# Altium PCB VNA_v5.PcbDoc (part 1 of 3)
Units mm, origin at the board's own origin, x right, y up, seen from the top; angles counter-clockwise.
Board outline 179 x 180 mm, 2 copper layers (Top Layer, Bottom Layer), stack 1.601 mm thick; 281 components, 184 nets, 845 pads, 2024 vias.
Unrouted connection lines stored in the file: 5.
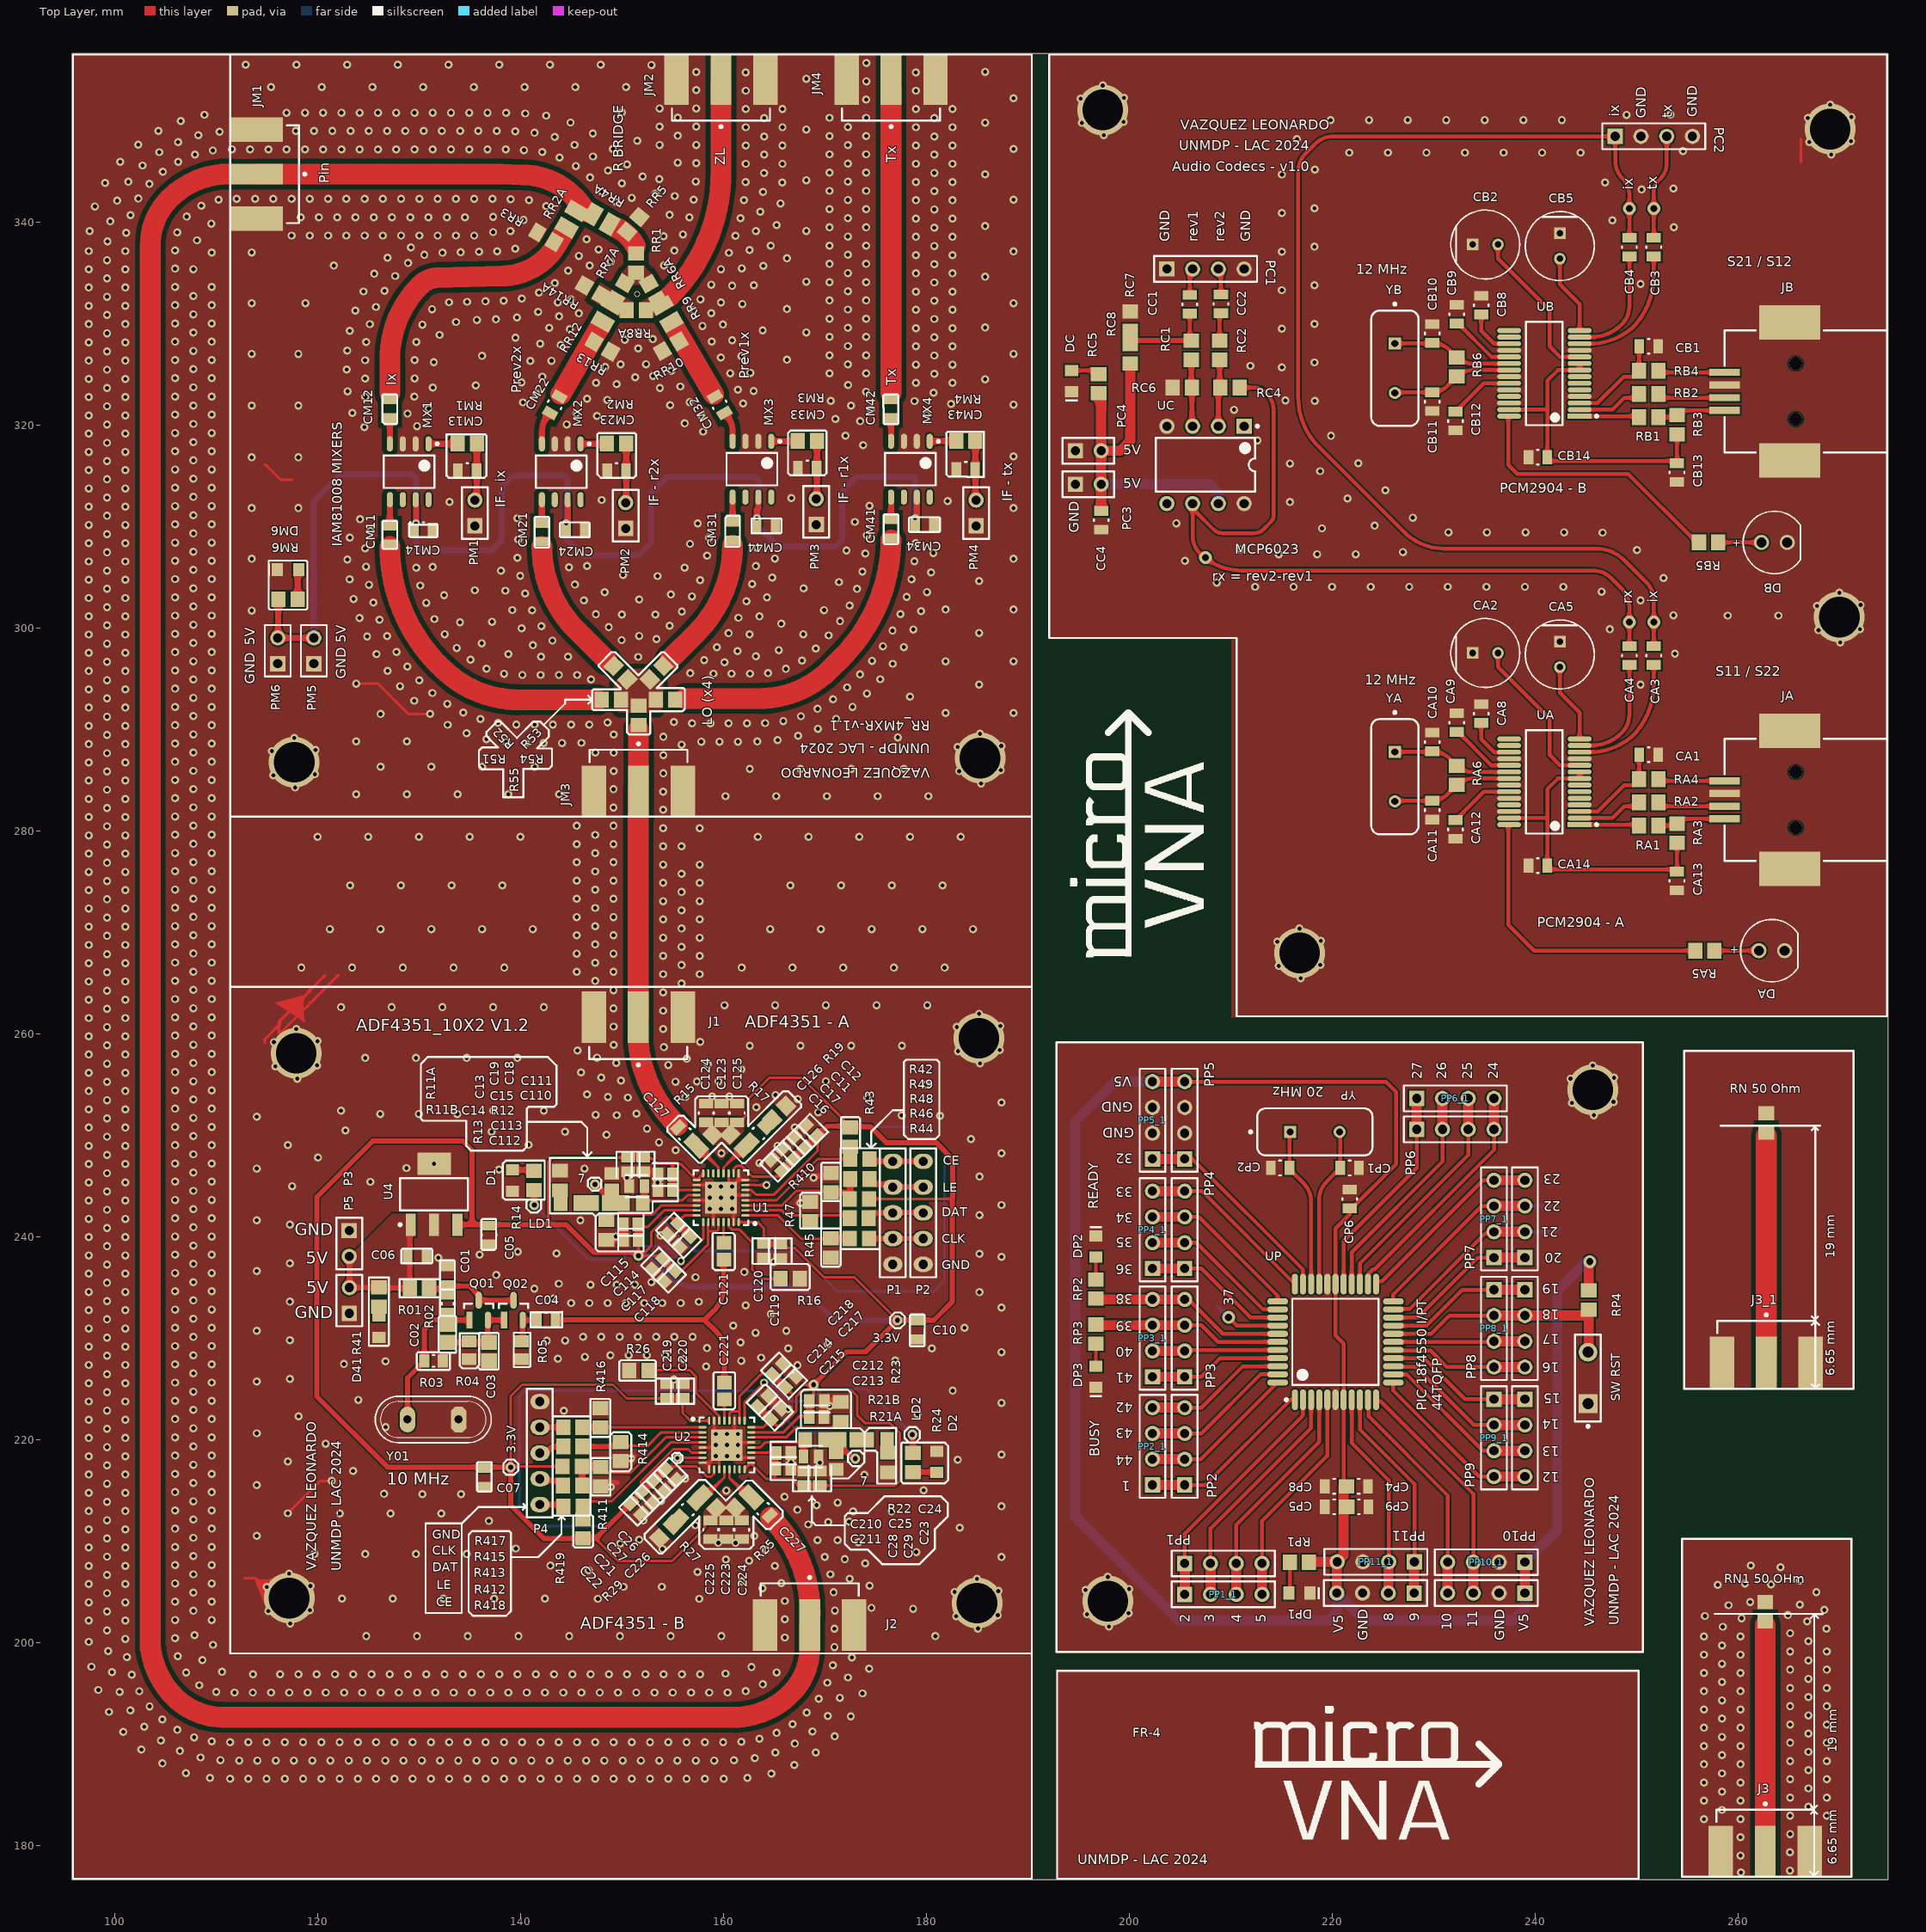
[diagram p0: Top Layer view]
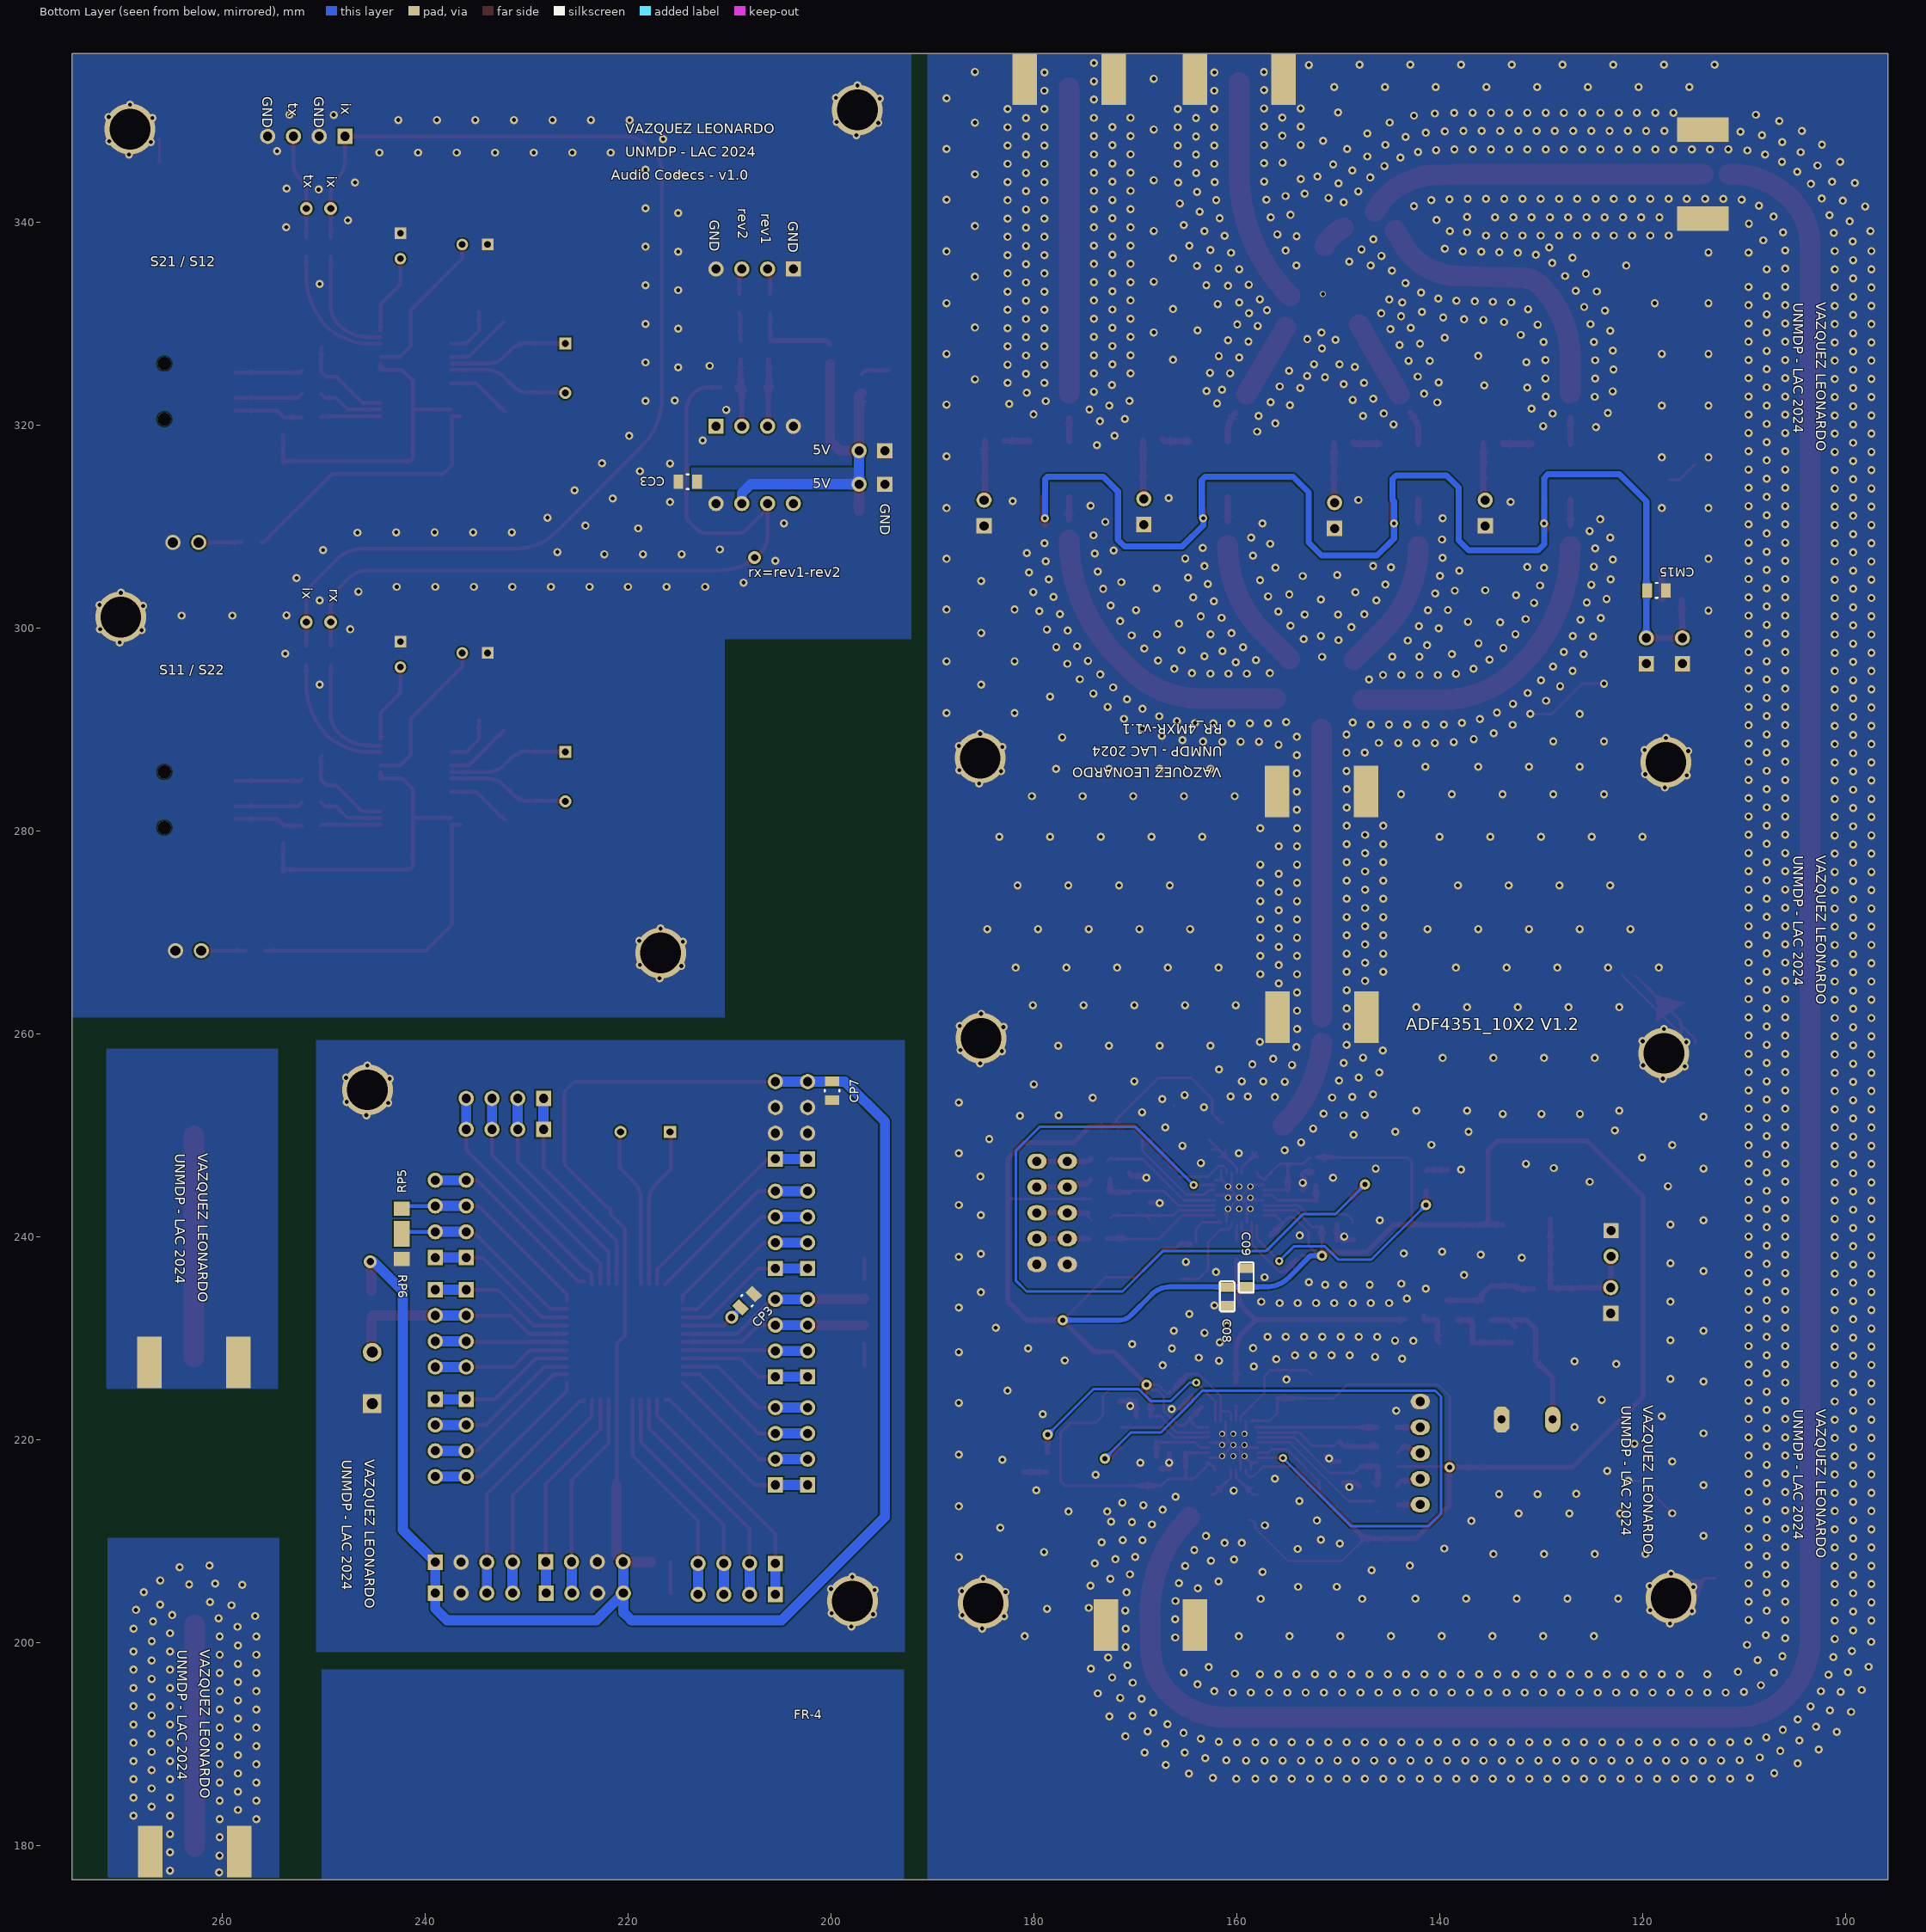
[diagram p1: Bottom Layer view, seen from below]
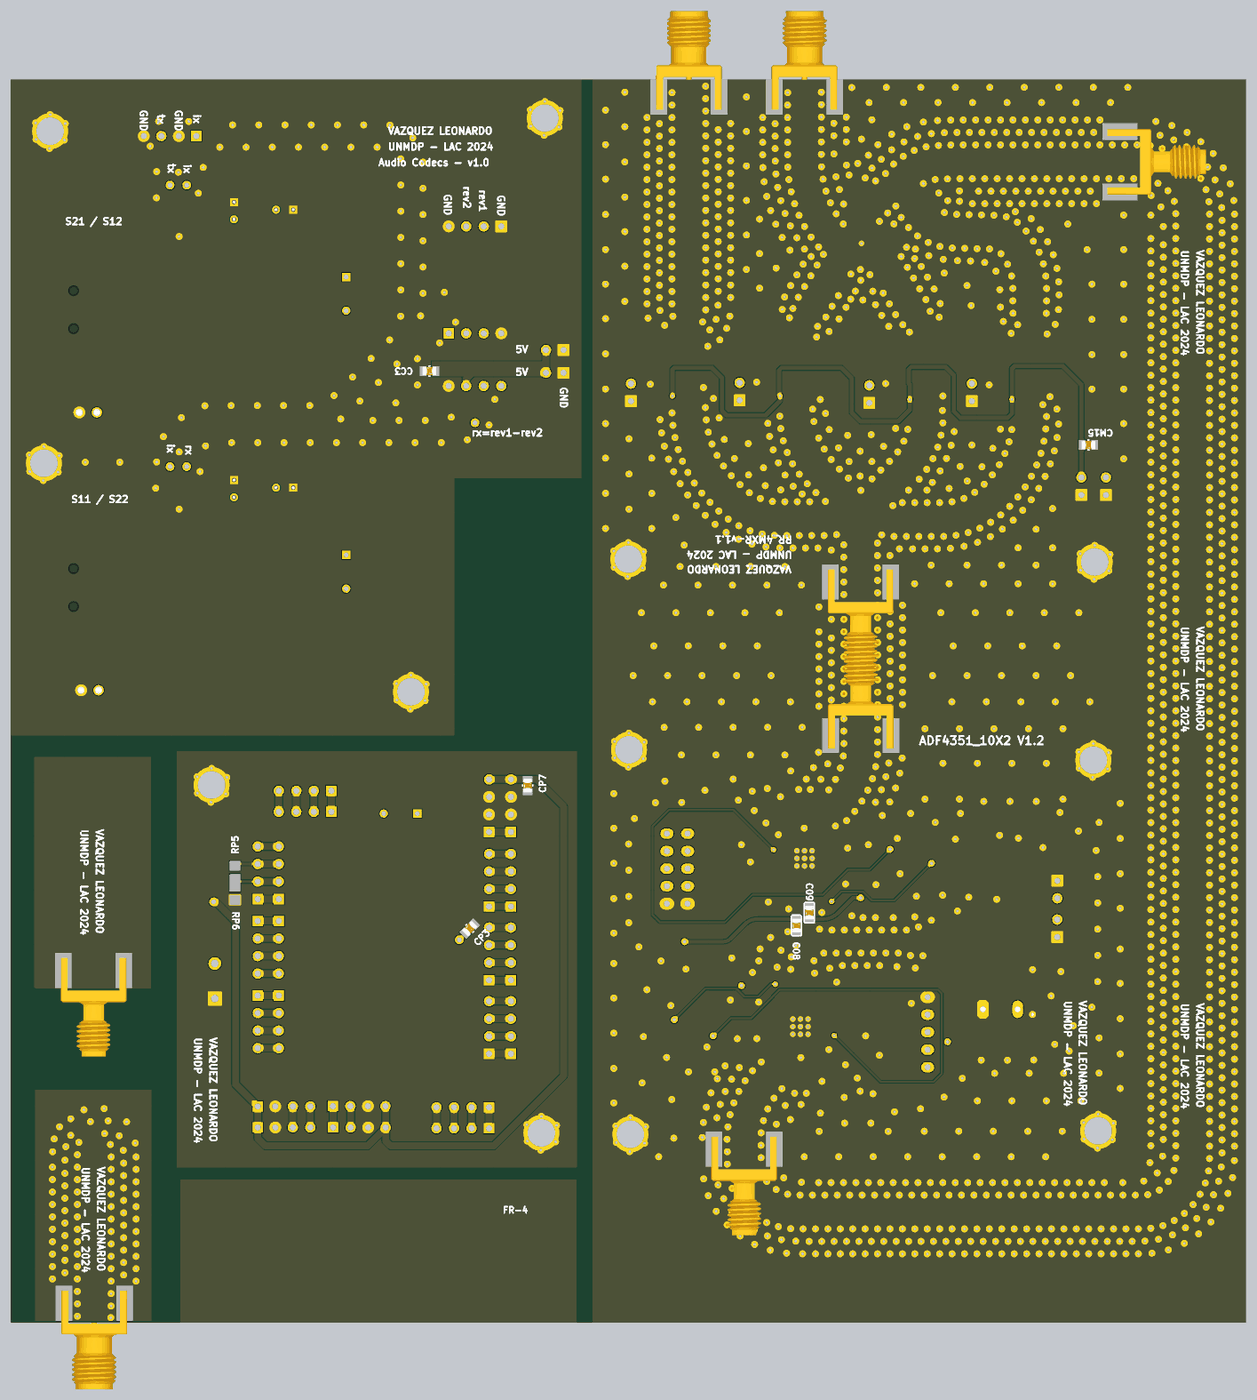
[diagram p4: 3D render of the assembled board from below, using the file's embedded part models]

## Layer stack, top to bottom
Top Solder: solder mask 0.0102, Solder Resist, Dk 3.5
Top Layer: signal copper 0.0356
Dielectric 1: dielectric 1.53, FR-4, Dk 4.2
Bottom Layer: signal copper 0.0356
Bottom Solder: solder mask 0.0102, Solder Resist, Dk 3.5

## Board outline
95.8,176.6 95.8,356.6 274.8,356.6 274.8,176.6

## Design rules (kind name [scope] priority, off if disabled: settings)
Clearance Clearance_3 [InNetClass('RF')] p1: gap=0.5 ignorepadtopadclearanceinfootprint=FALSE except(0: Arc-Hole Track-Hole SMDPad-Hole THPad-Hole Via-Hole Fill-Hole Poly-Hole Region-Hole Text-Hole Hole-Hole)
Clearance Clearance_1 [OnMid vs OnMid] p2: gap=0.15 ignorepadtopadclearanceinfootprint=FALSE except(0: Arc-Hole Track-Hole SMDPad-Hole THPad-Hole Via-Hole Fill-Hole Poly-Hole Region-Hole Text-Hole; 0.254: Hole-Hole)
Clearance Clearance_2 [(ExistsOnLayer('Top Layer') Or ExistsOnLayer('Bottom Layer')) vs (ExistsOnLayer('Top Layer') Or ExistsOnLayer('Bottom Layer'))] p3: gap=0.15 ignorepadtopadclearanceinfootprint=FALSE except(0: Arc-Hole Track-Hole SMDPad-Hole THPad-Hole Via-Hole Fill-Hole Poly-Hole Region-Hole Text-Hole; 0.254: Hole-Hole)
Clearance Clearance_4 [OnMid vs OnMid] p4: gap=0.254 ignorepadtopadclearanceinfootprint=FALSE except(0: Arc-Hole Track-Hole SMDPad-Hole THPad-Hole Via-Hole Fill-Hole Poly-Hole Region-Hole Text-Hole)
Clearance Clearance_5 [(ExistsOnLayer('Top Layer') Or ExistsOnLayer('Bottom Layer')) vs (ExistsOnLayer('Top Layer') Or ExistsOnLayer('Bottom Layer'))] p5: gap=0.254 ignorepadtopadclearanceinfootprint=FALSE except(0: Arc-Hole Track-Hole SMDPad-Hole THPad-Hole Via-Hole Fill-Hole Poly-Hole Region-Hole Text-Hole)
Clearance Clearance_6 [OnMid vs OnMid] p6: gap=0.254 ignorepadtopadclearanceinfootprint=FALSE except(0: Arc-Hole Track-Hole SMDPad-Hole THPad-Hole Via-Hole Fill-Hole Poly-Hole Region-Hole Text-Hole)
Clearance Clearance_7 [(ExistsOnLayer('Top Layer') Or ExistsOnLayer('Bottom Layer')) vs (ExistsOnLayer('Top Layer') Or ExistsOnLayer('Bottom Layer'))] p7: gap=0.254 ignorepadtopadclearanceinfootprint=FALSE except(0: Arc-Hole Track-Hole SMDPad-Hole THPad-Hole Via-Hole Fill-Hole Poly-Hole Region-Hole Text-Hole)
Clearance Clearance_8 [OnMid vs OnMid] p8: gap=0.254 ignorepadtopadclearanceinfootprint=FALSE except(0: Arc-Hole Track-Hole SMDPad-Hole THPad-Hole Via-Hole Fill-Hole Poly-Hole Region-Hole Text-Hole)
Clearance Clearance_9 [(ExistsOnLayer('Top Layer') Or ExistsOnLayer('Bottom Layer')) vs (ExistsOnLayer('Top Layer') Or ExistsOnLayer('Bottom Layer'))] p9: gap=0.254 ignorepadtopadclearanceinfootprint=FALSE except(0: Arc-Hole Track-Hole SMDPad-Hole THPad-Hole Via-Hole Fill-Hole Poly-Hole Region-Hole Text-Hole)
Clearance [All] p10: gap=0.254 ignorepadtopadclearanceinfootprint=FALSE except(0: Arc-Hole Track-Hole SMDPad-Hole THPad-Hole Via-Hole Fill-Hole Poly-Hole Region-Hole Text-Hole)
PolygonConnect PolygonConnect_27 [All vs IsNamedPolygon('GND_L02_P054')] p1: connectstyle=Direct reliefconductorwidth=0.254 reliefentries=4 polygonreliefangle="90 Angle" airgapwidth=0.254
PolygonConnect PolygonConnect_26 [All vs IsNamedPolygon('v')] p2: connectstyle=Direct reliefconductorwidth=0.254 reliefentries=4 polygonreliefangle="90 Angle" airgapwidth=0.254
PolygonConnect PolygonConnect_25 [All vs IsNamedPolygon('GND_L02_P050')] p3: connectstyle=Direct reliefconductorwidth=0.254 reliefentries=4 polygonreliefangle="90 Angle" airgapwidth=0.254
PolygonConnect PolygonConnect_24 [All vs IsNamedPolygon('GND_L02_P049')] p4: connectstyle=Direct reliefconductorwidth=0.254 reliefentries=4 polygonreliefangle="90 Angle" airgapwidth=0.254
PolygonConnect PolygonConnect_23 [All vs IsNamedPolygon('GND_L01_P048')] p5: connectstyle=Direct reliefconductorwidth=0.254 reliefentries=4 polygonreliefangle="90 Angle" airgapwidth=0.254
PolygonConnect PolygonConnect_22 [All vs IsNamedPolygon('GND_L01_P047')] p6: connectstyle=Direct reliefconductorwidth=0.254 reliefentries=4 polygonreliefangle="90 Angle" airgapwidth=0.254
PolygonConnect PolygonConnect_21 [All vs IsNamedPolygon('GND_L02_P045')] p7: connectstyle=Direct reliefconductorwidth=0.254 reliefentries=4 polygonreliefangle="90 Angle" airgapwidth=0.254
PolygonConnect PolygonConnect_20 [All vs IsNamedPolygon('GND_L01_P044')] p8: connectstyle=Direct reliefconductorwidth=0.254 reliefentries=4 polygonreliefangle="90 Angle" airgapwidth=0.254
PolygonConnect PolygonConnect_19 [All vs IsNamedPolygon('GND_L02_P043')] p9: connectstyle=Direct reliefconductorwidth=0.254 reliefentries=4 polygonreliefangle="90 Angle" airgapwidth=0.254
PolygonConnect PolygonConnect_18 [All vs IsNamedPolygon('GND_L01_P042')] p10: connectstyle=Direct reliefconductorwidth=0.254 reliefentries=4 polygonreliefangle="90 Angle" airgapwidth=0.254
PolygonConnect PolygonConnect_17 [All vs IsNamedPolygon('AVDD1_L01_P037')] p11: connectstyle=Direct reliefconductorwidth=0.254 reliefentries=4 polygonreliefangle="90 Angle" airgapwidth=0.254
PolygonConnect PolygonConnect_16 [All vs IsNamedPolygon('V5_L01_P038')] p12: connectstyle=Direct reliefconductorwidth=0.254 reliefentries=4 polygonreliefangle="90 Angle" airgapwidth=0.254
PolygonConnect PolygonConnect_15 [All vs IsNamedPolygon('AVDD1_L01_P036')] p13: connectstyle=Direct reliefconductorwidth=0.254 reliefentries=4 polygonreliefangle="90 Angle" airgapwidth=0.254
PolygonConnect PolygonConnect_14 [All vs IsNamedPolygon('PIN_L01_P035')] p14: connectstyle=Direct reliefconductorwidth=0.254 reliefentries=4 polygonreliefangle="90 Angle" airgapwidth=0.254
PolygonConnect PolygonConnect_13 [All vs IsNamedPolygon('PIN_L01_P034')] p15: connectstyle=Direct reliefconductorwidth=0.254 reliefentries=4 polygonreliefangle="90 Angle" airgapwidth=0.254
PolygonConnect PolygonConnect_12 [All vs IsNamedPolygon('NETRR1_2_L01_P031')] p16: connectstyle=Direct reliefconductorwidth=0.254 reliefentries=4 polygonreliefangle="90 Angle" airgapwidth=0.254
PolygonConnect PolygonConnect_11 [All vs IsNamedPolygon('ZL_L01_P032')] p17: connectstyle=Direct reliefconductorwidth=0.254 reliefentries=4 polygonreliefangle="90 Angle" airgapwidth=0.254
PolygonConnect PolygonConnect_10 [All vs IsNamedPolygon('NETRR7A_1_L01_P033')] p18: connectstyle=Direct reliefconductorwidth=0.254 reliefentries=4 polygonreliefangle="90 Angle" airgapwidth=0.254
PolygonConnect PolygonConnect_9 [All vs IsNamedPolygon('NETR51_2_L01_P029')] p19: connectstyle=Direct reliefconductorwidth=0.254 reliefentries=4 polygonreliefangle="90 Angle" airgapwidth=0.254
PolygonConnect PolygonConnect_8 [All vs IsNamedPolygon('NETR51_2_L01_P029')] p20: connectstyle=Direct reliefconductorwidth=0.254 reliefentries=4 polygonreliefangle="90 Angle" airgapwidth=0.254
PolygonConnect PolygonConnect_7 [All vs IsNamedPolygon('PIN_L01_P017')] p21: connectstyle=Direct reliefconductorwidth=0.254 reliefentries=4 polygonreliefangle="90 Angle" airgapwidth=0.254
PolygonConnect PolygonConnect_6 [All vs IsNamedPolygon('PIN_L01_P016')] p22: connectstyle=Direct reliefconductorwidth=0.254 reliefentries=4 polygonreliefangle="90 Angle" airgapwidth=0.254
PolygonConnect PolygonConnect_5 [All vs IsNamedPolygon('NETRR1_2_L01_P013')] p23: connectstyle=Direct reliefconductorwidth=0.254 reliefentries=4 polygonreliefangle="90 Angle" airgapwidth=0.254
PolygonConnect PolygonConnect_4 [All vs IsNamedPolygon('ZL_L01_P014')] p24: connectstyle=Direct reliefconductorwidth=0.254 reliefentries=4 polygonreliefangle="90 Angle" airgapwidth=0.254
PolygonConnect PolygonConnect_3 [All vs IsNamedPolygon('NETRR7A_1_L01_P015')] p25: connectstyle=Direct reliefconductorwidth=0.254 reliefentries=4 polygonreliefangle="90 Angle" airgapwidth=0.254
PolygonConnect PolygonConnect_2 [All vs IsNamedPolygon('NETR51_2_L01_P011')] p26: connectstyle=Direct reliefconductorwidth=0.254 reliefentries=4 polygonreliefangle="90 Angle" airgapwidth=0.254
PolygonConnect PolygonConnect_1 [All vs IsNamedPolygon('VCC5_L02_P000')] p27: connectstyle=Direct reliefconductorwidth=0.254 reliefentries=4 polygonreliefangle="90 Angle" airgapwidth=0.254
PolygonConnect [All] p28: connectstyle=Relief reliefconductorwidth=0.254 reliefentries=4 polygonreliefangle="90 Angle" airgapwidth=0.254
RoutingVias [All] p1: holewidth=0.4 width=0.5 viastyle="Through Hole" minholewidth=0.4 minwidth=0.4 maxholewidth=6.25 maxwidth=6.5
RoutingVias RoutingViaStyle_1 [All] p2: holewidth=0.25 width=0.5 viastyle="Through Hole" minholewidth=0.25 minwidth=0.3 maxholewidth=6.25 maxwidth=6
SolderMaskExpansion [All] p1: expansion=0.102 istentingtop=FALSE
Width [All] p1: maxlimit=1 minlimit=0.254 preferedwidth=0.254 minimp=50.000000 maximp=50.000000 favimp=50.000000
Width MaxMinWidth_2 [InNetClass('RF')] p2: maxlimit=2.053 minlimit=2.053 preferedwidth=2.053
Width MaxMinWidth_1 [All] p3: maxlimit=1 minlimit=0.254 preferedwidth=0.254 minimp=50.000000 maximp=50.000000 favimp=50.000000
30 further rules are at their usual default settings.

## Classes and differential pairs
component class Sheet4_Conectores: D41 J1 J2 P1 P2 P3 P5 R41 R42 R43 R44 R45 R46 R47 R48 R49 R410 R411 R412 R413 R414 R415 R416 R417 R418 R419 U4
component class Sheet3_Sintetizador2: C21 C22 C23 C24 C25 C26 C27 C28 C29 C210 C211 C212 C213 C214 C215 C217 C218 C219 C220 C221 C223 C224 C225 C226 C227 D2 R21A R21B R22 R23 R24 R25 R26 R27 R29 U2
component class Sheet2_Sintetizador1: C11 C12 C13 C14 C15 C16 C17 C18 C19 C110 C111 C112 C113 C114 C115 C117 C118 C119 C120 C121 C123 C124 C125 C126 C127 D1 R11A R11B R12 R13 R14 R15 R16 R17 R19 U1
component class Sheet1_oscilador_10MHz: C01 C02 C03 C04 Q01 Q02 R01 R02 R03 R04 R05 Y01
component class nonets: "RN1 50 OHm"
component class pic18f4550_v2: CP1 CP2 CP3 CP4 CP5 CP6 CP7 CP8 CP9 DP1 DP2 DP3 PP1 PP1_1 PP2 PP2_1 PP3 PP3_1 PP4 PP4_1 PP5 PP5_1 PP6 PP6_1 PP7 PP7_1 PP8 PP8_1 PP9 PP9_1 PP10 PP10_1 PP11 PP11_1 RP1 RP2 RP3 RP4 RP5 RP6 UP YP
net class RF: NetC226_2 NetCM11_2 NetCM12_2 NetCM21_2 NetCM22_2 NetCM31_2 NetCM32_2 NetCM41_2 NetCM42_2 NetR51_2 NetRR1_1 NetRR1_2 NetRR7A_1 NN OLin1 OLin2 OLin3 OLin4 Pfwd Pin Prev1 Prev2 RF1 RF1+ RF1A+ RF1A- RF2 RF2A+ RF2A- TMX ZL
component class PuenteR: RR1 RR2A RR3 RR4A RR5 RR6A RR7A RR8A RR9 RR10 RR12 RR13 RR14A
component class Mixers: CM11 CM12 CM13 CM14 CM21 CM22 CM23 CM24 CM31 CM32 CM33 CM34 CM41 CM42 CM43 CM44 MX1 MX2 MX3 MX4 R51 R52 R53 R54 R55 RM1 RM2 RM3 RM4
component class Conectores: CM15 DM6 JM1 JM2 JM3 JM4 PM1 PM2 PM3 PM4 PM5 PM6 RM6
net class 3_Codecs: DA+ DA- DB+ DB- GND ix NetCA1_2 NetCA2_2 NetCA3_2 NetCA4_2 NetCA5_2 NetCA8_2 NetCA9_2 NetCA10_2 NetCA11_2 NetCA12_2 NetCA13_1 NetCB1_2 NetCB2_2 NetCB3_2 NetCB4_2 NetCB5_2 NetCB8_2 NetCB9_2 NetCB10_2 NetCB11_2 NetCB12_2 NetCB13_1 NetCC1_1 NetCC2_1 NetDA_1 NetDB_1 NetDC_2 NetRA1_2 NetRA2_1 NetRA5_2 NetRB1_2 NetRB2_1 NetRB5_2 NetRC1_1 NetRC2_1 rev1 rev2 rx tx VA5 VB5
component class 3_CodecB: CB1 CB2 CB3 CB4 CB5 CB8 CB9 CB10 CB11 CB12 CB13 CB14 DB JB RB1 RB2 RB3 RB4 RB5 RB6 UB YB
component class 3_CodecA: CA1 CA2 CA3 CA4 CA5 CA8 CA9 CA10 CA11 CA12 CA13 CA14 DA JA RA1 RA2 RA3 RA4 RA5 RA6 UA YA
component class 3_Audio_Inputs: CC1 CC2 CC3 CC4 DC PC1 PC2 PC3 PC4 RC1 RC2 RC4 RC5 UC
